# Altium PCB PCB4.PcbDoc (part 3 of 3)
Units mm, origin at the board's own origin, x right, y up, seen from the top; angles counter-clockwise.
Board outline 169 x 84.7 mm, 4 copper layers (Top Layer, GND, POWER, Bottom Layer), stack 1.564 mm thick; 189 components, 194 nets, 860 pads, 455 vias.
Unrouted connection lines stored in the file: 195.
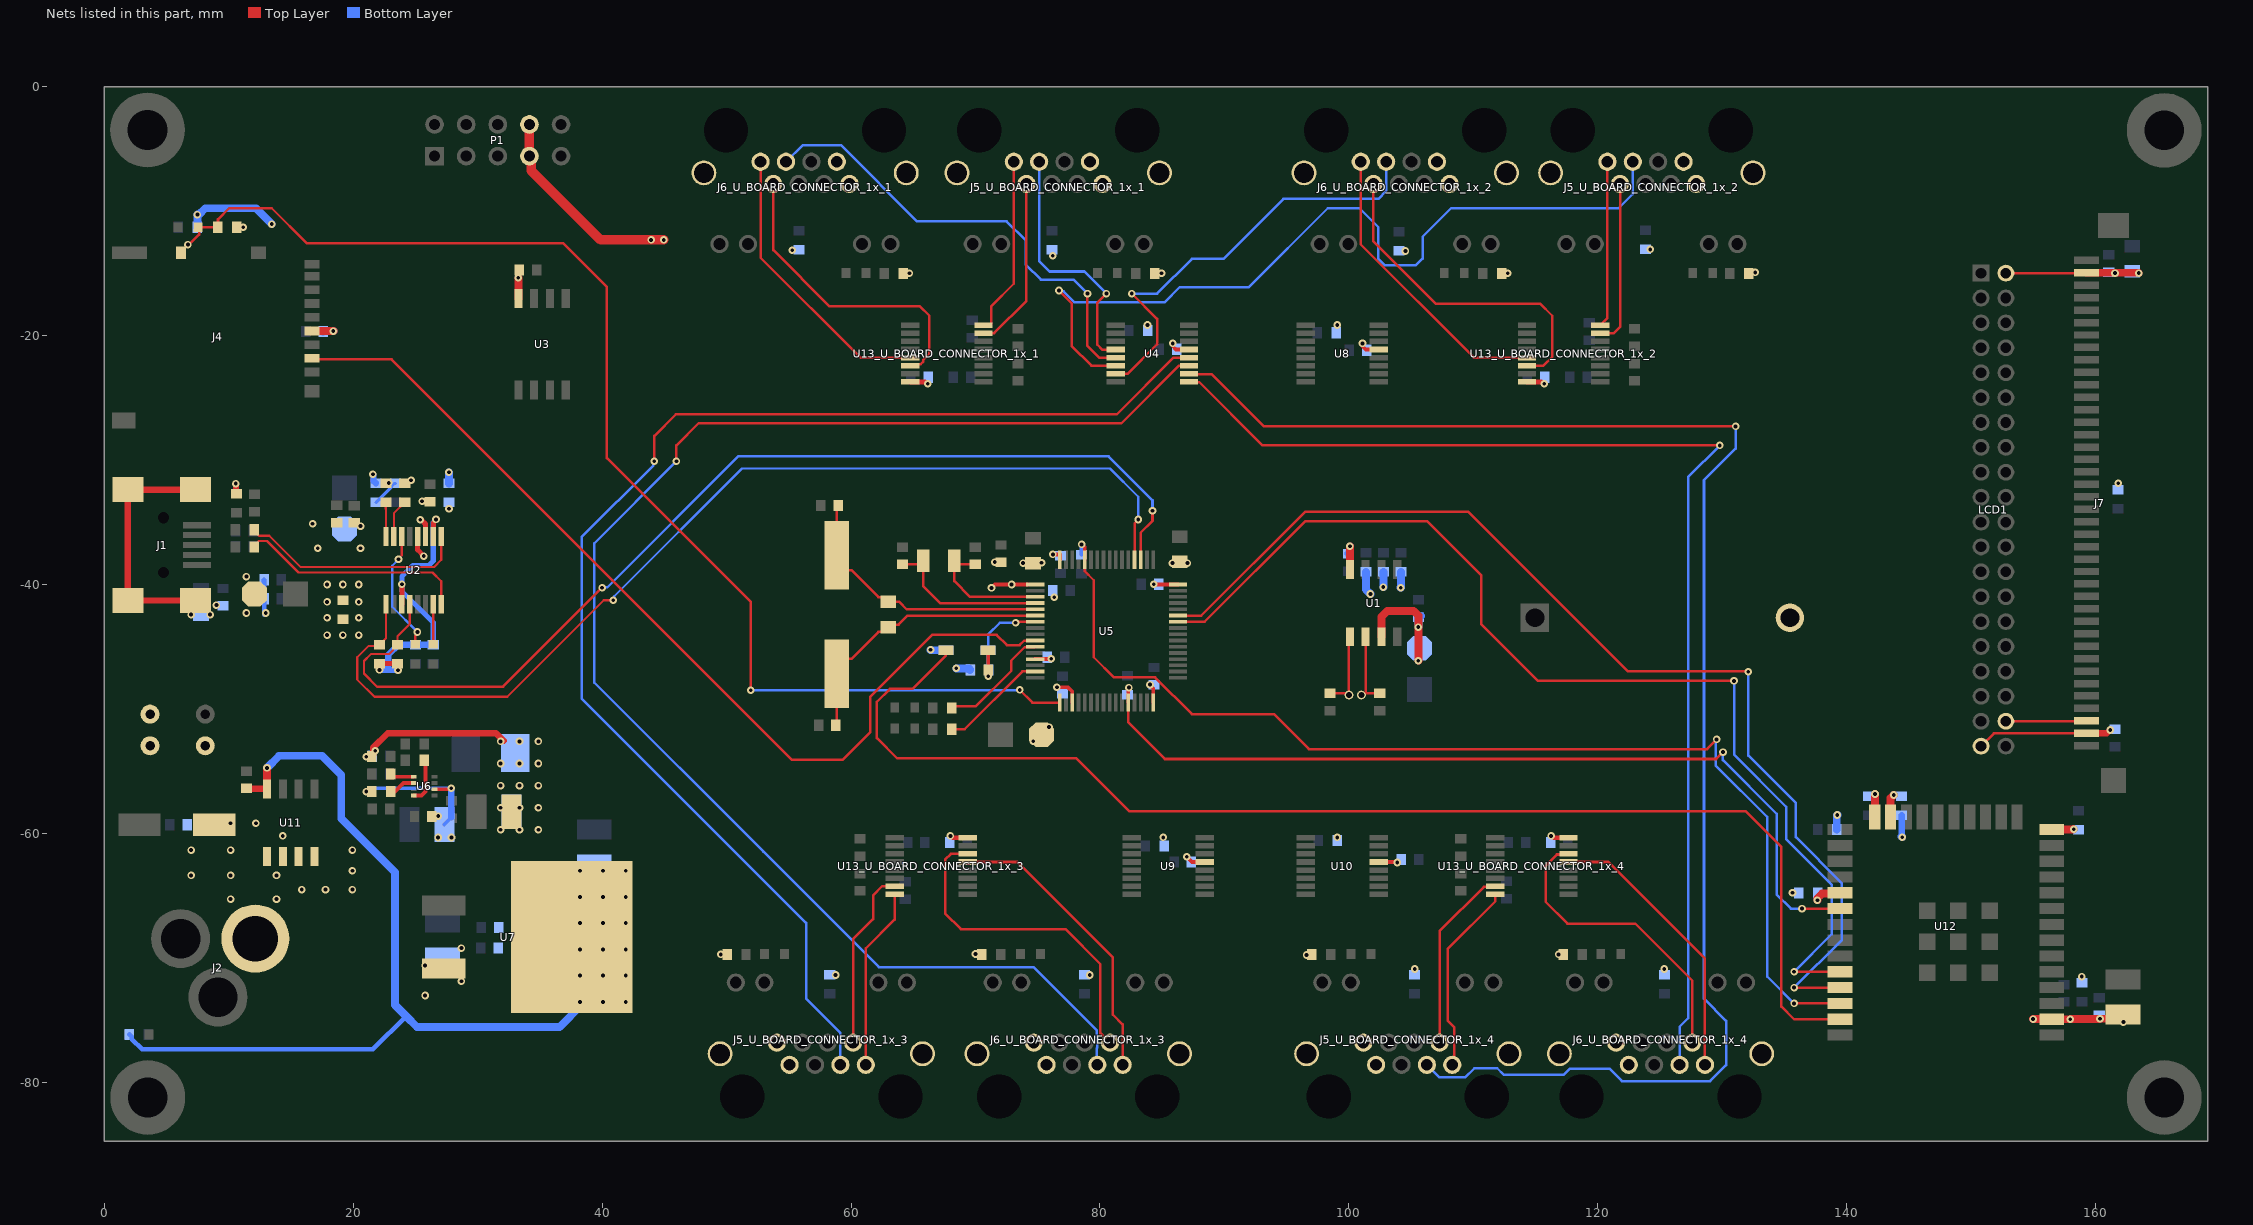
[diagram p5: the nets of this part, all layers, seen from the top]

## Via types
v1: diameter 0.61, hole 0.305, Top Layer to Bottom Layer, tented both sides, 398 vias
v2: diameter 0.61, hole 0.305, Top Layer to Bottom Layer, 57 vias

## Nets (pads, with @x,y where several pads share a name; then routed paths per layer and width w, separated by ;. In a path a pad name is that pad's centre, name@x,y a point inside that pad or via, vN(x,y) a via of type N, cw(c..) or ccw(c..) an arc to the next point about the centre after c; other vN are vias at no path point) (continued)
NetR13_2: R13.2 U12.29 | length 2.2
  Top Layer w0.635: v1(137.632,-65.352) 137.632,-65.192 138.004,-64.82 139.397,-64.82 U12.29@139.464,-64.753
NetR17_2: R17.2 U2.15 | length 3.2
  Top Layer w0.178: U2.15@23.274,-36.149 23.274,-34.264 23.794,-33.744 23.794,-33.68 24.086,-33.388 R17.2@24.15,-33.388
NetR20_2: R20.2 U12.23 | length 1.9
  Top Layer w0.635: U12.23@143.519,-58.673 143.519,-57.144 v1(143.766,-56.897)
NetR21_1: R21.1 U12.14 | length 1.8
  Top Layer w0.635: U12.14@156.464,-59.673 158.193,-59.673 v1(158.224,-59.642)
NetR23_1: R23.1 R24.2 R25.1 | length 2.2
  Bottom Layer w0.254: R23.1@21.864,-33.388 23.07,-32.182 23.07,-32.118 23.324,-31.864 R25.1@23.388,-31.864
  other v2: 22.863,-31.828
NetR26_1: R26.1 U12.24 | length 1.9
  Top Layer w0.635: U12.24@142.249,-58.673 142.249,-56.828 v1(142.261,-56.815)
NetR32_2: R32.2 U5.15 | length 8.6
  Top Layer w0.203: R32.2@68.083,-51.614 69.116,-51.614 73.764,-46.965 74.773,-46.965 U5.15@74.789,-46.981
NetR33_2: R33.2 U5.11 | length 9.2
  Top Layer w0.203: R33.2@68.083,-49.913 68.215,-49.781 70.012,-49.781 72.873,-46.92 72.873,-46.109 73.953,-45.029 74.74,-45.029 U5.11@74.789,-44.981
NetR43_2: R43.2 U6.8 | length 3.8
  Top Layer w0.305: U6.8@24.869,-56.935 24.87,-56.937 25.502,-56.937 25.819,-56.62 R43.2@25.819,-53.893
NetR53_1: R53.1 U6.5 | length 2
  Top Layer w0.305: R53.1@23.009,-55.209 23.235,-55.435 U6.5@24.869,-55.435
nRST: C12.1 D1.1 D2.1 R10.1 U5.7 | length 8.7
  Top Layer w0.203: v1(73.221,-43.065) 73.331,-43.065 73.415,-42.981 U5.7@74.789,-42.981
  Top Layer w0.305: C12.1@71.021,-46.865 D2.1@71.021,-45.265
  Bottom Layer w0.203: R10.1@71.021,-46.803 R10.1@71.083,-46.865 ; D1.1@71.021,-45.265 71.021,-43.99 71.946,-43.065 v1(73.221,-43.065)
  Bottom Layer w0.254: R10.1@71.021,-46.803 D1.1@71.021,-45.265
  other v1: 71.021,-47.365
OSC32_IN: C52.1 U5.3 X2.1 | length 10.4
  Top Layer w0.203: C52.1@69.977,-38.375 68.598,-38.375 X2.1@68.306,-38.083 68.306,-39.714 69.573,-40.981 U5.3@74.789,-40.981
OSC32_OUT: C53.1 U5.4 X2.2 | length 13.4
  Top Layer w0.203: C53.1@64.135,-38.375 65.514,-38.375 X2.2@65.806,-38.083 65.806,-40.135 67.152,-41.481 U5.4@74.789,-41.481
OSC_IN: C51.1 R36.1 U5.5 X3.1 | length 22
  Top Layer w0.203: C51.1@58.979,-33.638 58.852,-33.765 58.852,-37.938 59.75,-38.837 60.038,-38.837 62.205,-41.004 62.611,-41.004 R36.1@62.992,-41.385 63.879,-41.385 64.475,-41.981 U5.5@74.789,-41.981
OSC_OUT: C13.1 R36.2 U5.6 X3.2 | length 22.2
  Top Layer w0.203: C13.1@58.79,-51.291 58.852,-51.229 X3.2@58.852,-47.151 58.852,-46.864 59.75,-45.965 60.038,-45.965 62.205,-43.798 62.611,-43.798 63.206,-43.203 63.813,-43.203 64.535,-42.481 73.463,-42.481 U5.6@74.789,-42.481
RS232_RX_L_U_BOARD_CONNECTOR_1x_1: J6_U_BOARD_CONNECTOR_1x_1.1 U13_U_BOARD_CONNECTOR_1x_1.13 | length 23.1
  Top Layer w0.203: J6_U_BOARD_CONNECTOR_1x_1.1@52.735,-6.025 52.745,-6.035 52.745,-13.739 60.766,-21.76 U13_U_BOARD_CONNECTOR_1x_1.13@64.77,-21.76
RS232_RX_L_U_BOARD_CONNECTOR_1x_2: J6_U_BOARD_CONNECTOR_1x_2.1 U13_U_BOARD_CONNECTOR_1x_2.13 | length 23.8
  Top Layer w0.203: J6_U_BOARD_CONNECTOR_1x_2.1@100.951,-6.025 100.951,-12.669 110.042,-21.76 U13_U_BOARD_CONNECTOR_1x_2.13@114.3,-21.76
RS232_RX_L_U_BOARD_CONNECTOR_1x_3: J6_U_BOARD_CONNECTOR_1x_3.1 U13_U_BOARD_CONNECTOR_1x_3.13 | length 23.8
  Top Layer w0.203: U13_U_BOARD_CONNECTOR_1x_3.13@69.376,-62.28 73.373,-62.28 81.044,-69.952 81.044,-74.55 81.825,-75.331 J6_U_BOARD_CONNECTOR_1x_3.1@81.825,-78.575
RS232_RX_L_U_BOARD_CONNECTOR_1x_4: J6_U_BOARD_CONNECTOR_1x_4.1 U13_U_BOARD_CONNECTOR_1x_4.13 | length 22.7
  Top Layer w0.203: U13_U_BOARD_CONNECTOR_1x_4.13@117.636,-62.28 120.844,-62.28 128.602,-70.038 128.602,-71.937 ccw(c129.612,-71.965) 128.602,-71.993 J6_U_BOARD_CONNECTOR_1x_4.1@128.602,-78.575
RS232_RX_V_U_BOARD_CONNECTOR_1x_1: J5_U_BOARD_CONNECTOR_1x_1.1 U13_U_BOARD_CONNECTOR_1x_1.8 | length 14.4
  Top Layer w0.203: U13_U_BOARD_CONNECTOR_1x_1.8@70.646,-19.16 71.159,-19.16 71.282,-19.037 71.282,-17.62 73.075,-15.827 73.075,-12.663 ccw(c72.065,-12.635) 73.075,-12.607 73.075,-12.225 J5_U_BOARD_CONNECTOR_1x_1.1@73.075,-6.025
RS232_RX_V_U_BOARD_CONNECTOR_1x_2: J5_U_BOARD_CONNECTOR_1x_2.1 U13_U_BOARD_CONNECTOR_1x_2.8 | length 13.4
  Top Layer w0.203: U13_U_BOARD_CONNECTOR_1x_2.8@120.176,-19.16 120.763,-18.573 J5_U_BOARD_CONNECTOR_1x_2.1@120.763,-6.025
RS232_RX_V_U_BOARD_CONNECTOR_1x_3: J5_U_BOARD_CONNECTOR_1x_3.1 U13_U_BOARD_CONNECTOR_1x_3.8 | length 14.7
  Top Layer w0.203: J5_U_BOARD_CONNECTOR_1x_3.1@61.185,-78.575 61.185,-73.611 61.185,-69.227 63.5,-66.912 U13_U_BOARD_CONNECTOR_1x_3.8@63.5,-64.88
RS232_RX_V_U_BOARD_CONNECTOR_1x_4: J5_U_BOARD_CONNECTOR_1x_4.1 U13_U_BOARD_CONNECTOR_1x_4.8 | length 15.5
  Top Layer w0.203: J5_U_BOARD_CONNECTOR_1x_4.1@108.301,-78.575 108.458,-78.418 108.458,-75.548 107.95,-75.04 107.95,-69.246 111.76,-65.436 U13_U_BOARD_CONNECTOR_1x_4.8@111.76,-64.88
RS232_TX_L_U_BOARD_CONNECTOR_1x_1: J6_U_BOARD_CONNECTOR_1x_1.2 U13_U_BOARD_CONNECTOR_1x_1.14 | length 25.1
  Top Layer w0.203: J6_U_BOARD_CONNECTOR_1x_1.2@53.755,-7.805 53.755,-13.119 58.272,-17.636 65.532,-17.636 66.294,-18.398 66.294,-21.447 65.787,-21.954 65.787,-22.101 65.601,-22.287 64.893,-22.287 U13_U_BOARD_CONNECTOR_1x_1.14@64.77,-22.41
RS232_TX_L_U_BOARD_CONNECTOR_1x_2: J6_U_BOARD_CONNECTOR_1x_2.2 U13_U_BOARD_CONNECTOR_1x_2.14 | length 27.1
  Top Layer w0.203: J6_U_BOARD_CONNECTOR_1x_2.2@101.971,-7.805 101.971,-12.419 106.966,-17.414 115.348,-17.414 116.332,-18.398 116.332,-21.7 115.622,-22.41 U13_U_BOARD_CONNECTOR_1x_2.14@114.3,-22.41
RS232_TX_L_U_BOARD_CONNECTOR_1x_3: J6_U_BOARD_CONNECTOR_1x_3.2 U13_U_BOARD_CONNECTOR_1x_3.14 | length 27.1
  Top Layer w0.203: U13_U_BOARD_CONNECTOR_1x_3.14@69.376,-61.63 68.02,-61.63 67.564,-62.086 67.564,-66.404 68.834,-67.674 77.216,-67.674 80.038,-70.496 80.038,-76.028 J6_U_BOARD_CONNECTOR_1x_3.2@80.805,-76.795
RS232_TX_L_U_BOARD_CONNECTOR_1x_4: J6_U_BOARD_CONNECTOR_1x_4.2 U13_U_BOARD_CONNECTOR_1x_4.14 | length 24.5
  Top Layer w0.203: U13_U_BOARD_CONNECTOR_1x_4.14@117.636,-61.63 117.589,-61.677 116.713,-61.677 115.796,-62.594 115.796,-65.476 117.549,-67.229 123.001,-67.229 127.582,-71.81 J6_U_BOARD_CONNECTOR_1x_4.2@127.582,-76.795
RS232_TX_V_U_BOARD_CONNECTOR_1x_1: J5_U_BOARD_CONNECTOR_1x_1.2 U13_U_BOARD_CONNECTOR_1x_1.7 | length 13.9
  Top Layer w0.203: U13_U_BOARD_CONNECTOR_1x_1.7@70.646,-19.81 70.662,-19.794 71.502,-19.794 74.095,-17.201 J5_U_BOARD_CONNECTOR_1x_1.2@74.095,-7.805
RS232_TX_V_U_BOARD_CONNECTOR_1x_2: J5_U_BOARD_CONNECTOR_1x_2.2 U13_U_BOARD_CONNECTOR_1x_2.7 | length 13.3
  Top Layer w0.203: U13_U_BOARD_CONNECTOR_1x_2.7@120.176,-19.81 121.27,-19.81 121.783,-19.297 J5_U_BOARD_CONNECTOR_1x_2.2@121.783,-7.805
RS232_TX_V_U_BOARD_CONNECTOR_1x_3: J5_U_BOARD_CONNECTOR_1x_3.2 U13_U_BOARD_CONNECTOR_1x_3.7 | length 14.5
  Top Layer w0.203: J5_U_BOARD_CONNECTOR_1x_3.2@60.165,-76.795 60.165,-68.469 61.767,-66.867 61.767,-64.965 62.502,-64.23 U13_U_BOARD_CONNECTOR_1x_3.7@63.5,-64.23
RS232_TX_V_U_BOARD_CONNECTOR_1x_4: J5_U_BOARD_CONNECTOR_1x_4.2 U13_U_BOARD_CONNECTOR_1x_4.7 | length 14.9
  Top Layer w0.203: J5_U_BOARD_CONNECTOR_1x_4.2@107.281,-76.795 107.281,-67.835 110.837,-64.279 111.711,-64.279 U13_U_BOARD_CONNECTOR_1x_4.7@111.76,-64.23
RXD: R15.2 U2.4 U5.51 | length 86
  Top Layer w0.178: 23.836,-48.196 21.923,-48.196 20.869,-47.143 20.869,-46.136 21.426,-45.58 22.88,-45.58 23.202,-45.258 23.202,-45.11 23.494,-44.818 R15.2@23.557,-44.818 23.557,-44.141 24.544,-43.154 U2.4@24.544,-41.573
  Top Layer w0.203: 23.836,-48.196 32.05,-48.196 v1(40.005,-40.242) ; U5.51@83.277,-37.993 83.277,-35.816 84.218,-34.874 v1(84.218,-34.058)
  Bottom Layer w0.203: v1(40.005,-40.242) 40.042,-40.205 40.423,-40.205 50.927,-29.701 80.697,-29.701 84.218,-33.222 v1(84.218,-34.058)
RXLED: D4.2 U2.14 | length 9.9
  Top Layer w0.178: v2(23.642,-37.96) 23.642,-37.908 23.91,-37.64 U2.14@23.91,-36.149 ; D4.2@24.993,-44.78 24.993,-44.092 25.166,-43.919 v2(25.166,-43.802)
  Bottom Layer w0.178: v2(23.642,-37.96) 23.642,-37.984 23.149,-38.477 23.149,-41.785 v2(25.166,-43.802)
SDCARD_CS: J4.2 U5.10 | length 77.8
  Top Layer w0.203: J4.2@16.681,-21.818 16.758,-21.895 23.088,-21.895 55.265,-54.072 59.322,-54.072 61.557,-51.837 61.557,-48.993 66.516,-44.034 71.702,-44.034 72.529,-44.86 73.546,-44.86 73.901,-44.505 74.764,-44.505 U5.10@74.789,-44.481
SDCARD_DETECT: D9.2 J4.MP4 R38.2 U5.17 | length 100.8
  Top Layer w0.203: v1@6.774,-12.726 7.62,-11.88 7.62,-11.159 7.747,-11.286 R38.2@9.144,-11.286 9.144,-10.651 10.033,-9.762 13.462,-9.762 16.256,-12.556 36.861,-12.556 40.386,-16.081 40.386,-29.828 51.95,-41.392 v1(51.95,-48.488) ; v1(73.553,-48.451) 74.571,-49.469 U5.17@76.777,-49.469
  Bottom Layer w0.203: v1(51.95,-48.488) 73.553,-48.488 v1(73.553,-48.451)
  other v1: 6.731,-12.683
SHIELD: C86.2 J1.MP1 J1.MP2 J1.MP3 J1.MP4 J5_U_BOARD_CONNECTOR_1x_1.MH1 J5_U_BOARD_CONNECTOR_1x_1.MH2 J5_U_BOARD_CONNECTOR_1x_2.MH1 J5_U_BOARD_CONNECTOR_1x_2.MH2 J5_U_BOARD_CONNECTOR_1x_3.MH1 J5_U_BOARD_CONNECTOR_1x_3.MH2 J5_U_BOARD_CONNECTOR_1x_4.MH1 J5_U_BOARD_CONNECTOR_1x_4.MH2 J6_U_BOARD_CONNECTOR_1x_1.MH1 J6_U_BOARD_CONNECTOR_1x_1.MH2 J6_U_BOARD_CONNECTOR_1x_2.MH1 J6_U_BOARD_CONNECTOR_1x_2.MH2 J6_U_BOARD_CONNECTOR_1x_3.MH1 J6_U_BOARD_CONNECTOR_1x_3.MH2 J6_U_BOARD_CONNECTOR_1x_4.MH1 J6_U_BOARD_CONNECTOR_1x_4.MH2 R22.1 | length 19.7
  Top Layer w0.508: J1.MP2@7.325,-41.268 J1.MP4@1.905,-41.268 J1.MP3@1.905,-32.368 J1.MP1@7.325,-32.368
  other v2: 6.985,-42.401 8.509,-42.401 9.017,-41.639
TXD: R16.2 U2.1 U5.52 | length 84.7
  Top Layer w0.178: U2.1@22.64,-41.573 22.64,-44.296 22.474,-44.462 22.474,-44.526 22.181,-44.818 R16.2@22.118,-44.818 22.019,-44.917 21.254,-44.917 20.34,-45.831 20.34,-47.628 21.717,-49.005 32.385,-49.005 40.132,-41.258 v1(40.894,-41.258)
  Top Layer w0.203: U5.52@82.777,-37.993 82.777,-35.09 83.07,-34.797 v1(83.07,-34.767)
  Bottom Layer w0.178: v1(40.894,-41.258) 40.977,-41.175 40.977,-40.921 51.234,-30.664 80.802,-30.664 83.07,-32.932 v1(83.07,-34.767)
TXLED: D3.2 U2.7 | length 3.1
  Top Layer w0.178: D3.2@26.436,-44.78 U2.7@26.436,-41.63
UART1_RX: U5.43 U12.35 | length 88.4
  Top Layer w0.203: U5.43@86.265,-42.481 88.138,-42.481 96.473,-34.146 109.601,-34.146 122.428,-46.973 v1@132.086,-46.973 ; v1(135.763,-72.373) U12.35@139.464,-72.373
  Bottom Layer w0.203: v1(132.086,-46.992) 132.086,-53.728 135.901,-57.543 135.901,-60.288 139.605,-63.993 139.605,-68.531 v1(135.763,-72.373)
UART1_TX: U5.42 U12.34 | length 87.2
  Top Layer w0.203: U5.42@86.265,-42.981 88.4,-42.981 96.473,-34.908 106.299,-34.908 110.617,-39.226 110.617,-43.163 115.189,-47.735 v1(130.937,-47.735) ; v1(135.763,-71.103) U12.34@139.464,-71.103
  Bottom Layer w0.203: v1(130.937,-47.735) 130.937,-53.652 135.126,-57.841 135.126,-60.438 138.784,-64.096 138.784,-68.082 v1(135.763,-71.103)
USBDP_N: R18.2 U2.9 | length 18.4
  Top Layer w0.178: R18.2@12.045,-35.587 12.337,-35.879 12.337,-35.961 12.441,-36.065 13.26,-36.065 15.786,-38.591 26.49,-38.591 27.084,-37.997 U2.9@27.084,-36.149
USBDP_P: R19.2 U2.8 | length 18.5
  Top Layer w0.178: R19.2@12.045,-36.975 12.337,-36.683 12.337,-36.601 12.441,-36.497 13.081,-36.497 15.607,-39.023 26.382,-39.023 27.084,-39.725 U2.8@27.084,-41.573
V_EN: R52.1 U6.6 | length 2.1
  Top Layer w0.305: R52.1@23.009,-56.609 23.367,-56.609 24.041,-55.935 U6.6@24.869,-55.935
V_SENSE1: J5_U_BOARD_CONNECTOR_1x_1.3 U4.4 | length 20.5
  Top Layer w0.203: v1(80.518,-16.62) 79.79,-17.348 79.79,-20.726 80.174,-21.11 U4.4@81.28,-21.11
  Bottom Layer w0.203: J5_U_BOARD_CONNECTOR_1x_1.3@75.115,-6.025 75.115,-14.011 75.946,-14.842 78.74,-14.842 v1(80.518,-16.62)
V_SENSE2: J6_U_BOARD_CONNECTOR_1x_1.3 U4.5 | length 37.7
  Top Layer w0.203: v1(78.994,-16.62) 78.994,-20.822 79.932,-21.76 U4.5@81.28,-21.76
  Bottom Layer w0.203: J6_U_BOARD_CONNECTOR_1x_1.3@54.775,-6.025 54.791,-6.025 56.134,-4.682 59.182,-4.682 65.308,-10.808 72.5,-10.808 74.054,-12.363 74.054,-14.303 75.252,-15.5 77.874,-15.5 v1(78.994,-16.62)
V_SENSE3: J5_U_BOARD_CONNECTOR_1x_2.3 U4.6 | length 68.1
  Top Layer w0.203: v1(76.708,-16.366) 77.724,-17.382 77.724,-20.822 79.301,-22.4 U4.6@81.27,-22.4
  Bottom Layer w0.203: v1(76.708,-16.366) 76.786,-16.444 77.073,-16.444 77.957,-17.328 85.175,-17.328 86.406,-16.097 91.963,-16.097 98.298,-9.762 100.838,-9.762 102.362,-11.286 102.362,-13.826 102.87,-14.334 105.38,-14.334 105.918,-13.796 105.918,-12.048 108.204,-9.762 121.666,-9.762 122.803,-8.625 J5_U_BOARD_CONNECTOR_1x_2.3@122.803,-6.025
V_SENSE4: J6_U_BOARD_CONNECTOR_1x_2.3 U4.7 | length 35.4
  Top Layer w0.203: U4.7@81.28,-23.06 82.206,-23.06 84.582,-20.684 84.582,-18.652 v1(82.55,-16.62)
  Bottom Layer w0.203: v1(82.55,-16.62) 84.582,-16.62 87.376,-13.826 89.916,-13.826 94.742,-9 102.362,-9 102.991,-8.371 J6_U_BOARD_CONNECTOR_1x_2.3@102.991,-6.025
V_SENSE5: J5_U_BOARD_CONNECTOR_1x_3.3 U4.12 | length 107.1
  Top Layer w0.203: v1(44.196,-30.082) 44.196,-28.05 45.937,-26.309 81.366,-26.309 85.914,-21.76 U4.12@87.156,-21.76
  Bottom Layer w0.203: v1(44.196,-30.082) 44.118,-30.16 44.118,-30.414 38.354,-36.178 38.354,-49.132 56.388,-67.166 56.388,-73.262 59.145,-76.019 J5_U_BOARD_CONNECTOR_1x_3.3@59.145,-78.575
V_SENSE6: J6_U_BOARD_CONNECTOR_1x_3.3 U4.11 | length 120.4
  Top Layer w0.203: v1(45.974,-30.082) 45.974,-28.812 47.752,-27.034 81.713,-27.034 86.337,-22.41 U4.11@87.156,-22.41
  Bottom Layer w0.203: v1(45.974,-30.082) 39.37,-36.686 39.37,-47.862 52.959,-61.451 62.23,-70.722 74.676,-70.722 79.756,-75.802 79.756,-76.357 79.775,-76.376 79.775,-77.214 79.756,-77.233 79.756,-78.546 J6_U_BOARD_CONNECTOR_1x_3.3@79.785,-78.575
V_SENSE7: J5_U_BOARD_CONNECTOR_1x_4.3 U4.10 | length 125.2
  Top Layer w0.203: U4.10@86.868,-23.082 88.967,-23.082 93.173,-27.288 v1(131.064,-27.288)
  Bottom Layer w0.203: J5_U_BOARD_CONNECTOR_1x_4.3@106.261,-78.575 107.272,-79.585 109.339,-79.585 110.073,-78.851 111.914,-78.851 112.421,-79.358 117.272,-79.358 117.745,-78.885 120.939,-78.885 121.937,-79.883 129.015,-79.883 130.302,-78.596 130.302,-75.04 128.524,-73.262 128.524,-31.606 131.064,-29.066 v1(131.064,-27.288)
V_SENSE8: J6_U_BOARD_CONNECTOR_1x_4.3 U4.9 | length 96.1
  Top Layer w0.203: U4.9@86.868,-23.732 87.974,-23.732 93.054,-28.812 v1(129.794,-28.812)
  Bottom Layer w0.203: J6_U_BOARD_CONNECTOR_1x_4.3@126.562,-78.575 126.571,-78.565 126.571,-75.516 127.254,-74.833 127.254,-31.352 v1(129.794,-28.812)
VBAT: C2.1 C3.1 J3.2 U1.3 U5.1 | length 13.9
  Top Layer w0.305: v2(71.284,-40.256) 71.562,-39.979 74.204,-39.979 v2@72.898,-39.979
  Top Layer w0.635: U1.3@102.613,-44.18 102.613,-42.574 103.075,-42.112 105.203,-42.112 105.575,-42.484 v1(105.575,-43.412) v1(105.575,-46.112)
  Bottom Layer w0.635: v1(105.575,-43.412) 105.575,-42.712 105.642,-42.645 105.642,-42.576 105.706,-42.512 C2.1@105.775,-42.512
  other v2: 72.898,-39.988
VBUS_SENSE: R24.1 U2.16 | length 2.8
  Top Layer w0.178: R24.1@22.626,-33.388 22.626,-33.896 22.64,-33.91 U2.16@22.64,-36.149
VCC_3V3: C1.1 C6.2 C7.2 C9.1 C10.2 C11.1 C14.2 C15.1 C16.1 C17.1 C18.1 C19.1 C20.1 C21.1 C22.1 C23.1 C24.1 C29.1 C30.2 C32.1 C34.2 C36.1 C37.2 C39_U_BOARD_CONNECTOR_1x_1.2 C39_U_BOARD_CONNECTOR_1x_2.2 C39_U_BOARD_CONNECTOR_1x_3.2 C39_U_BOARD_CONNECTOR_1x_4.2 C54.2 C55.1 C56.1 D1.2 J4.4 J7.2 J7.38 J7.39 L2.1 LCD1.2 LCD1.38 LCD1.39 P1.7 P1.8 R1.2 R2.2 R3.2 R4.1 R5.1 R6.1 R10.2 R11.1 R12.1 R13.1 R14.1 R20.1 R27.2 R28_U_BOARD_CONNECTOR_1x_1.1 R28_U_BOARD_CONNECTOR_1x_2.1 R28_U_BOARD_CONNECTOR_1x_3.1 R28_U_BOARD_CONNECTOR_1x_4.1 R29_U_BOARD_CONNECTOR_1x_1.1 R29_U_BOARD_CONNECTOR_1x_2.1 R29_U_BOARD_CONNECTOR_1x_3.1 R29_U_BOARD_CONNECTOR_1x_4.1 R34_U_BOARD_CONNECTOR_1x_1.2 R34_U_BOARD_CONNECTOR_1x_2.2 R34_U_BOARD_CONNECTOR_1x_3.2 R34_U_BOARD_CONNECTOR_1x_4.2 R35_U_BOARD_CONNECTOR_1x_1.2 R35_U_BOARD_CONNECTOR_1x_2.2 R35_U_BOARD_CONNECTOR_1x_3.2 R35_U_BOARD_CONNECTOR_1x_4.2 R37.2 R38.1 R39.2 U1.8 U3.8 U4.13 U5.13 U5.19 U5.32 U5.48 U5.64 U7.4 U8.13 U9.13 U10.13 U11.8 U12.2 U13_U_BOARD_CONNECTOR_1x_1.16 U13_U_BOARD_CONNECTOR_1x_2.16 U13_U_BOARD_CONNECTOR_1x_3.16 U13_U_BOARD_CONNECTOR_1x_4.16 | length 171.4
  Top Layer w0.203: LCD1.39@150.781,-52.969 151.808,-51.942 J7.39@159.258,-51.942 ; LCD1.38@152.781,-50.969 J7.38@159.231,-50.969 ; LCD1.2@152.781,-14.969 159.231,-14.969 J7.2@159.258,-14.942
  Top Layer w0.305: U5.13@74.789,-45.981 76.06,-45.981 v1(76.093,-45.947) ; v1@76.321,-37.565 76.774,-37.565 76.777,-37.567 U5.64@76.777,-37.993 ; v1(76.538,-48.249) 77.437,-48.249 77.774,-48.587 77.774,-49.467 U5.19@77.777,-49.469 ; v1(84.02,-48.032) 84.02,-48.095 84.277,-48.351 U5.32@84.277,-49.469 ; v1(84.321,-39.965) 84.337,-39.981 U5.48@86.265,-39.981 ; v1(85.847,-20.615) 85.847,-20.842 86.116,-21.11 U4.13@87.156,-21.11 ; v1(86.967,-61.861) 87.386,-62.28 U9.13@88.426,-62.28 ; v1(101.087,-20.615) 101.087,-20.842 101.356,-21.11 U8.13@102.396,-21.11 ; U10.13@102.396,-62.28 103.826,-62.28 v1@103.886,-62.34
  Top Layer w0.381: C56.1@11.43,-56.371 C56.1@11.467,-56.408 ; U13_U_BOARD_CONNECTOR_1x_1.16@64.77,-23.71 65.959,-23.71 66.101,-23.853 v1(66.163,-23.853) ; v1(67.983,-60.187) 68.045,-60.187 68.187,-60.33 U13_U_BOARD_CONNECTOR_1x_3.16@69.376,-60.33 ; U13_U_BOARD_CONNECTOR_1x_2.16@114.3,-23.71 115.489,-23.71 115.631,-23.853 v1(115.693,-23.853) ; v1(116.243,-60.187) 116.305,-60.187 116.447,-60.33 U13_U_BOARD_CONNECTOR_1x_4.16@117.636,-60.33
  Top Layer w0.508: C56.1@11.467,-56.408 U11.8@13.081,-56.408 ; J7.39@159.258,-51.942 160.893,-51.942 v1(161.163,-51.672)
  Top Layer w0.635: U11.8@13.081,-56.408 v1(13.081,-54.72) ; J4.4@16.681,-19.618 18.398,-19.618 v1(18.408,-19.628) ; U3.8@33.274,-17.009 v1(33.274,-15.35) ; U1.8@100.073,-38.78 v1@100.073,-36.914 ; v1(154.966,-74.897) 156.448,-74.897 U12.2@156.464,-74.913 v1@157.941,-74.913 ; v1(157.941,-74.912) 157.955,-74.898 160.313,-74.898 v1(160.335,-74.876) ; J7.2@159.258,-14.942 163.422,-14.942 v1(163.449,-14.969) ; v1@160.335,-74.872 162.017,-74.872 C30.2@162.268,-74.621
  Top Layer w0.762: P1.8@34.163,-3.031 P1.7@34.163,-5.571 34.304,-5.712 34.304,-6.728 39.878,-12.302 v1(43.942,-12.302) v1(44.958,-12.302)
  Bottom Layer w0.381: R39.2@2.032,-76.125 2.222,-76.315 2.222,-76.5 3.048,-77.326 21.59,-77.326 24.257,-74.659
  Bottom Layer w0.508: v1@144.399,-60.239 R20.1@144.399,-58.53
  Bottom Layer w0.635: R37.2@7.493,-11.286 v1(7.493,-10.27) 7.62,-10.27 8.128,-9.762 12.192,-9.762 v1(13.462,-11.032) ; v1(13.081,-54.72) 14.057,-53.744 17.506,-53.744 19.05,-55.288 19.05,-58.784 23.368,-63.102 23.368,-73.77 24.257,-74.659 25.146,-75.548 36.576,-75.548 38.417,-73.706 38.608,-73.516 v1(40.069,-73.516) v1(41.91,-73.516) ; C6.2@17.591,-19.668 17.631,-19.628 v1(18.408,-19.628) ; v1(66.392,-45.233) 66.425,-45.265 D1.2@67.621,-45.265 ; v1(68.453,-46.719) 69.413,-46.719 69.432,-46.738 69.495,-46.738 69.559,-46.801 R10.2@69.559,-46.865 ; C1.1@99.975,-37.512 100.012,-37.512 100.075,-37.448 v1(100.075,-36.912) ; R1.2@101.375,-38.974 101.375,-40.398 v1(101.727,-40.75) ; v1(102.76,-40.195) 102.775,-40.18 R3.2@102.775,-38.974 ; v1(104.157,-40.241) 104.175,-40.223 R2.2@104.175,-38.974 ; R12.1@139.192,-59.673 139.192,-58.544 v1(139.234,-58.502) ; v1@144.399,-60.239 v1(144.448,-60.288)
  other v1: 162.215,-75.14 38.227,-73.516 158.877,-71.484 38.227,-71.408 40.069,-71.408 41.91,-71.408 58.763,-71.357 79.177,-71.357 105.281,-70.876 125.335,-70.876 96.602,-69.749 49.53,-69.706 116.84,-69.706 69.997,-69.67 38.227,-69.3 40.069,-69.3 41.91,-69.3 38.227,-67.191 40.069,-67.191 41.91,-67.191 38.227,-65.083 40.069,-65.083 41.91,-65.083 135.636,-64.753 38.227,-62.975 40.069,-62.975 41.91,-62.975 103.885,-62.322 85.09,-60.308 99.06,-60.308 74.639,-52.584 75.909,-51.441 76.327,-41.004 73.821,-38.265 85.821,-38.265 87.021,-38.265 75.304,-38.234 76.221,-37.565 161.798,-31.86 83.82,-19.138 99.06,-19.138 64.688,-14.988 112.755,-14.99 84.944,-14.974 161.544,-14.969 132.638,-14.912 76.2,-13.572 104.539,-13.192 55.282,-13.136 124.206,-13.064 11.176,-11.286
  other v2: 17.907,-44.052 19.177,-44.052 20.447,-44.052 17.907,-42.655 20.447,-42.655 71.552,-38.186
VCC_3V3_FTDI: C8.1 C35.1 C40.1 L2.2 R9.1 U2.12 | length 1.8
  Top Layer w0.381: U2.12@25.18,-36.149 25.18,-37.212 v2(25.674,-37.706)
  other v2: 17.907,-41.385 20.447,-41.385 17.907,-39.988 19.177,-39.988 20.447,-39.988 17.165,-37.071 20.594,-37.071 20.594,-35.293 16.746,-35.1 27.706,-33.896
VCC_5V: C33.2 C74.2 C75.2 C76.1 L6.2 R44.2 U7.3 | length 12
  Top Layer w0.508: R44.2@21.493,-53.789 21.62,-53.662 21.62,-53.077 22.77,-51.927 31.475,-51.927 v1@32.093,-52.545
  other v1: 25.781,-73.008 28.702,-71.865 25.781,-70.595 28.702,-69.198 31.848,-59.689 33.366,-59.689 34.883,-59.689 31.848,-57.914 33.366,-57.914 34.883,-57.914 31.848,-56.139 33.366,-56.139 34.883,-56.139 31.848,-54.364 33.366,-54.364 34.883,-54.364 21.053,-53.828 21.785,-53.344 31.848,-52.589 33.366,-52.589 34.883,-52.589
VCC_12V: C26.2 C27.2 J5_U_BOARD_CONNECTOR_1x_1.7 J5_U_BOARD_CONNECTOR_1x_1.8 J5_U_BOARD_CONNECTOR_1x_2.7 J5_U_BOARD_CONNECTOR_1x_2.8 J5_U_BOARD_CONNECTOR_1x_3.7 J5_U_BOARD_CONNECTOR_1x_3.8 J5_U_BOARD_CONNECTOR_1x_4.7 J5_U_BOARD_CONNECTOR_1x_4.8 J6_U_BOARD_CONNECTOR_1x_1.7 J6_U_BOARD_CONNECTOR_1x_1.8 J6_U_BOARD_CONNECTOR_1x_2.7 J6_U_BOARD_CONNECTOR_1x_2.8 J6_U_BOARD_CONNECTOR_1x_3.7 J6_U_BOARD_CONNECTOR_1x_3.8 J6_U_BOARD_CONNECTOR_1x_4.7 J6_U_BOARD_CONNECTOR_1x_4.8 P3.2 R52.2 U6.2 U11.3 U11.4 | length 11.5
  Top Layer w0.305: U6.2@26.545,-56.435 27.718,-56.435 27.802,-56.351 v1(27.884,-56.351)
  Bottom Layer w0.305: v1(21.053,-56.622) 21.114,-56.622 21.384,-56.351 v1(27.884,-56.351) ; C26.2@27.325,-59.268 C26.2@27.884,-58.709
  Bottom Layer w0.508: C26.2@27.884,-58.709 v1(27.884,-56.351)
  other v1: 15.875,-64.499 17.78,-64.499 19.939,-64.499 19.939,-62.975 19.939,-61.324 26.829,-60.315 27.901,-60.315 26.842,-58.595
VCC_12V_IN: C48.2 C49.1 J2.1 P2.1 P3.1 U11.1 U11.2
  other v1: 10.16,-65.261 13.843,-65.261 6.985,-63.356 10.16,-63.356 13.843,-63.356 6.985,-61.324 10.16,-61.324 14.351,-60.181 10.16,-59.165 12.192,-59.165
VCC_FTDI: C41.1 C42.2 C43.2 L4.1 R9.2 R23.2 | length 5.6
  Top Layer w0.508: v1(10.572,-31.883) 10.591,-31.902 10.591,-32.666 L4.1@10.626,-32.701
  Bottom Layer w0.381: C43.2@12.844,-41.135 C42.2@12.844,-39.611 ; C43.2@12.85,-41.135 12.85,-42.419 12.986,-42.284 v2(12.986,-42.277)
  Bottom Layer w0.508: v2(21.59,-31.122) 21.634,-31.166 21.634,-31.669 21.824,-31.86 R23.2@21.844,-31.86
  Bottom Layer w0.635: v1(27.691,-30.976) 27.691,-31.849 R9.2@27.706,-31.864
  other v2: 11.43,-42.274 11.43,-39.353
VCCIO: C85.2 R15.1 R16.1 R17.1 R30.2 R31.2 U2.3 U2.10 U2.11 | length 25.4
  Top Layer w0.406: R16.1@22.118,-46.342 R15.1@23.557,-46.342 ; U2.3@23.91,-41.573 23.91,-40.034 v2@23.934,-40.01 ; v2(25.4,-34.781) 25.439,-34.82 25.512,-34.82 25.813,-35.121 25.813,-36.148 U2.11@25.814,-36.149 ; U2.10@26.45,-36.149 26.45,-35.013
  Bottom Layer w0.406: R30.2@26.436,-44.818 26.436,-43.04 23.918,-40.522 v2(23.918,-39.969) 23.918,-39.335 24.793,-38.46 26.079,-38.46 26.436,-38.103 26.436,-35.027 26.655,-34.808 v2(26.655,-34.753)
  Bottom Layer w0.508: v2(22.118,-46.85) 22.833,-46.85 ; v2(23.605,-46.879) 23.578,-46.879 23.549,-46.85 22.833,-46.85 ; R30.2@26.436,-44.818 R31.2@24.997,-44.818 23.642,-44.818 22.833,-45.627 22.833,-46.85
  other v2: 25.54,-33.304 24.658,-31.61
WIFI_GPIO1: R8.1 U5.60 U12.36 | length 91
  Top Layer w0.203: U5.60@78.777,-37.993 78.769,-38.001 78.769,-38.913 79.502,-39.647 79.502,-45.83 81.12,-47.448 82.086,-47.448 82.089,-47.45 82.747,-47.45 82.749,-47.448 84.422,-47.448 87.376,-50.402 93.98,-50.402 96.782,-53.204 128.77,-53.204 v1(129.54,-52.434) ; v1(135.763,-73.643) U12.36@139.464,-73.643
  Top Layer w0.305: 78.75,-36.977 78.777,-37.003 U5.60@78.777,-37.993
  Bottom Layer w0.203: v1(129.54,-52.434) 129.464,-52.51 129.464,-54.517 133.604,-58.657 133.604,-71.484 v1(135.763,-73.643)
  Bottom Layer w0.305: R8.1@78.521,-37.603 v1(78.521,-36.765)
WIFI_GPIO2: D2.2 U12.37 | length 104.7
  Top Layer w0.203: D2.2@67.621,-45.265 67.621,-45.7 64.95,-48.37 63.119,-48.37 62.084,-49.405 62.084,-52.33 63.713,-53.958 78.105,-53.958 82.364,-58.217 131.894,-58.217 134.747,-61.07 134.747,-73.897 135.763,-74.913 U12.37@139.464,-74.913
WIFI_GPIO3: R7.1 U5.28 U12.30 | length 70.7
  Top Layer w0.203: U5.28@82.277,-49.469 82.277,-51.063 85.218,-54.004 129.494,-54.004 v1(130.048,-53.45) ; v1(136.398,-66.023) U12.30@139.464,-66.023
  Top Layer w0.305: U5.28@82.277,-49.469 82.277,-48.385 v1@82.302,-48.361
  Bottom Layer w0.203: v1(130.048,-53.45) 130.048,-54.085 134.366,-58.403 134.366,-64.88 135.509,-66.023 v1(136.398,-66.023)
  other v1: 82.321,-48.265
X1: C5.1 U1.1 X1.1 | length 6.3
  Top Layer w0.203: C5.1@98.475,-48.712 99.718,-48.712 99.87,-48.864 X1.1@100.004,-48.864 100.004,-44.249 U1.1@100.073,-44.18
X2: C4.2 U1.2 X1.2 | length 5.7
  Top Layer w0.203: U1.2@101.343,-44.18 101.343,-48.525 101.343,-48.659 101.29,-48.712 C4.2@102.475,-48.712
pads on no net: J1.4 J1.MH1 J1.MH2 J2.3 J4.1 J4.8 J4.MP1 J4.MP2 J4.MP5 J4.MP6 J5_U_BOARD_CONNECTOR_1x_1.9 J5_U_BOARD_CONNECTOR_1x_1.10 J5_U_BOARD_CONNECTOR_1x_1.11 J5_U_BOARD_CONNECTOR_1x_1.12 J5_U_BOARD_CONNECTOR_1x_1.MH3 J5_U_BOARD_CONNECTOR_1x_1.MH4 J5_U_BOARD_CONNECTOR_1x_2.9 J5_U_BOARD_CONNECTOR_1x_2.10 J5_U_BOARD_CONNECTOR_1x_2.11 J5_U_BOARD_CONNECTOR_1x_2.12 J5_U_BOARD_CONNECTOR_1x_2.MH3 J5_U_BOARD_CONNECTOR_1x_2.MH4 J5_U_BOARD_CONNECTOR_1x_3.9 J5_U_BOARD_CONNECTOR_1x_3.10 J5_U_BOARD_CONNECTOR_1x_3.11 J5_U_BOARD_CONNECTOR_1x_3.12 J5_U_BOARD_CONNECTOR_1x_3.MH3 J5_U_BOARD_CONNECTOR_1x_3.MH4 J5_U_BOARD_CONNECTOR_1x_4.9 J5_U_BOARD_CONNECTOR_1x_4.10 J5_U_BOARD_CONNECTOR_1x_4.11 J5_U_BOARD_CONNECTOR_1x_4.12 J5_U_BOARD_CONNECTOR_1x_4.MH3 J5_U_BOARD_CONNECTOR_1x_4.MH4 J6_U_BOARD_CONNECTOR_1x_1.9 J6_U_BOARD_CONNECTOR_1x_1.10 J6_U_BOARD_CONNECTOR_1x_1.11 J6_U_BOARD_CONNECTOR_1x_1.12 J6_U_BOARD_CONNECTOR_1x_1.MH3 J6_U_BOARD_CONNECTOR_1x_1.MH4 J6_U_BOARD_CONNECTOR_1x_2.9 J6_U_BOARD_CONNECTOR_1x_2.10 J6_U_BOARD_CONNECTOR_1x_2.11 J6_U_BOARD_CONNECTOR_1x_2.12 J6_U_BOARD_CONNECTOR_1x_2.MH3 J6_U_BOARD_CONNECTOR_1x_2.MH4 J6_U_BOARD_CONNECTOR_1x_3.9 J6_U_BOARD_CONNECTOR_1x_3.10 J6_U_BOARD_CONNECTOR_1x_3.11 J6_U_BOARD_CONNECTOR_1x_3.12 J6_U_BOARD_CONNECTOR_1x_3.MH3 J6_U_BOARD_CONNECTOR_1x_3.MH4 J6_U_BOARD_CONNECTOR_1x_4.9 J6_U_BOARD_CONNECTOR_1x_4.10 J6_U_BOARD_CONNECTOR_1x_4.11 J6_U_BOARD_CONNECTOR_1x_4.12 J6_U_BOARD_CONNECTOR_1x_4.MH3 J6_U_BOARD_CONNECTOR_1x_4.MH4 J7.41 J7.42 P1.4 U2.2 U2.6 U3.3 U3.7 U5.2 U5.16 U5.24 U5.25 U5.45 U5.61 U12.4 U12.5 U12.6 U12.7 U12.8 U12.9 U12.10 U12.11 U12.12 U12.13 U12.16 U12.17 U12.18 U12.19 U12.20 U12.21 U12.22 U12.26 U12.27 U12.28 U12.31 U12.32 U12.33
copper on no net: | length 7.6
  Bottom Layer w0.508: v2(16.784,-33.515) 16.784,-30.824 19.431,-28.177 v1(20.574,-28.177)

## Polygon pours and split planes (outlines as drawn)
SHIELD on GND (split plane): 170 vertices, not listed, extent 0.51,-84.19 168.49,-0.51
GND on GND (split plane): 130.703,-9.615 130.78,-9.678 130.869,-9.726 130.964,-9.755 131.064,-9.764 163.365,-9.764 165.352,-11.751 165.352,-72.289 161.079,-76.562 135.847,-76.562 134.473,-75.187 134.396,-75.124 134.307,-75.076 134.212,-75.047 134.112,-75.038 132.588,-75.038 132.488,-75.047 132.393,-75.076 132.304,-75.124 132.227,-75.187 127.297,-80.118 123.655,-80.118 118.979,-75.441 118.902,-75.378 118.813,-75.33 118.718,-75.301 118.618,-75.292 110.744,-75.292 110.644,-75.301 110.549,-75.33 110.46,-75.378 110.383,-75.441 106.215,-79.61 102.573,-79.61 97.389,-74.425 97.312,-74.362 97.223,-74.314 97.128,-74.285 97.028,-74.276 86.106,-74.276 86.006,-74.285 85.911,-74.314 85.822,-74.362 85.745,-74.425 80.561,-79.61 76.411,-79.61 71.989,-75.187 71.912,-75.124 71.823,-75.076 71.728,-75.047 71.628,-75.038 64.262,-75.038 64.162,-75.047 64.067,-75.076 63.978,-75.124 63.901,-75.187 59.225,-79.864 56.599,-79.864 52.177,-75.441 52.1,-75.378 52.011,-75.33 51.916,-75.301 51.816,-75.292 43.942,-75.292 43.842,-75.301 43.747,-75.33 43.658,-75.378 43.581,-75.441 39.921,-79.102 9.609,-79.102 4.066,-73.559 4.066,-45.324 9.652,-45.324 9.752,-45.315 9.847,-45.286 9.936,-45.238 10.013,-45.175 10.267,-44.921 10.33,-44.844 10.378,-44.755 10.407,-44.66 10.416,-44.56 10.416,-40.75 10.407,-40.65 10.378,-40.555 10.33,-40.466 10.267,-40.389 10.19,-40.326 10.101,-40.278 10.006,-40.249 9.906,-40.24 6.053,-40.24 5.844,-40.031 5.844,-9.51 49.022,-9.51 49.122,-9.501 49.217,-9.472 49.306,-9.424 49.383,-9.361 54.313,-4.43 57.447,-4.43 62.377,-9.361 62.454,-9.424 62.543,-9.472 62.638,-9.501 62.738,-9.51 69.85,-9.51 69.95,-9.501 70.045,-9.472 70.134,-9.424 70.211,-9.361 74.633,-4.938 78.783,-4.938 82.951,-9.107 83.028,-9.17 83.117,-9.218 83.212,-9.247 83.312,-9.256 98.552,-9.256 98.652,-9.247 98.747,-9.218 98.836,-9.17 98.913,-9.107 103.335,-4.684 106.469,-4.684 110.891,-9.107 110.968,-9.17 111.057,-9.218 111.152,-9.247 111.252,-9.256 118.364,-9.256 118.464,-9.247 118.559,-9.218 118.648,-9.17 118.725,-9.107 123.401,-4.43 125.519,-4.43
VCC_12V on POWER (split plane): 168.49,-0.51 168.49,-84.19 0.51,-84.19 0.51,-0.51
VCC_FTDI on POWER (split plane): 29.208,-32.112 15.748,-32.112 15.648,-32.121 15.553,-32.15 15.464,-32.198 15.387,-32.261 15.324,-32.338 15.276,-32.427 15.247,-32.522 15.238,-32.622 15.238,-42.274 15.238,-42.78 10.162,-42.78 10.162,-42.02 10.162,-28.814 29.208,-28.814
VCC_3V3 on POWER (split plane): 163.32,-76.039 136.341,-76.039 134.981,-74.679 134.904,-74.616 134.815,-74.568 134.72,-74.539 134.62,-74.53 47.752,-74.53 47.652,-74.539 47.557,-74.568 47.468,-74.616 47.391,-74.679 46.031,-76.039 37.333,-76.039 37.333,-50.656 37.323,-50.556 37.294,-50.461 37.247,-50.372 37.184,-50.295 37.106,-50.232 37.018,-50.184 36.922,-50.155 36.823,-50.146 29.718,-50.146 29.618,-50.155 29.527,-50.183 29.435,-50.155 29.335,-50.146 10.162,-50.146 10.162,-43.8 15.748,-43.8 15.848,-43.791 15.943,-43.762 16.032,-43.714 16.109,-43.651 16.172,-43.574 16.22,-43.485 16.249,-43.39 16.258,-43.29 16.258,-42.53 29.718,-42.53 29.818,-42.521 29.913,-42.492 30.002,-42.444 30.079,-42.381 30.142,-42.304 30.19,-42.215 30.219,-42.12 30.228,-42.02 30.228,-32.876 30.228,-28.304 30.219,-28.204 30.19,-28.109 30.142,-28.02 30.079,-27.943 30.002,-27.88 29.913,-27.832 29.818,-27.803 29.718,-27.794 10.162,-27.794 10.162,-10.227 10.371,-10.018 163.32,-10.018
VCC_5V on POWER (split plane): 36.312,-76.039 21.846,-76.039 21.846,-70.214 21.846,-62.279 29.718,-62.279 29.818,-62.269 29.913,-62.24 30.002,-62.193 30.079,-62.129 30.142,-62.052 30.19,-61.964 30.219,-61.868 30.228,-61.768 30.228,-51.166 36.312,-51.166
VCC_3V3_FTDI on POWER (split plane): 29.208,-33.892 29.208,-41.51 16.258,-41.51 16.258,-33.132 29.208,-33.132
VBAT on POWER (split plane): 92.327,-42.274 92.335,-42.349 92.356,-42.421 92.392,-42.487 92.439,-42.545 92.497,-42.592 92.563,-42.628 92.635,-42.649 92.71,-42.657 112.141,-42.657 112.216,-42.649 112.288,-42.628 112.354,-42.592 112.412,-42.545 112.459,-42.487 112.495,-42.421 112.516,-42.349 112.524,-42.274 112.524,-41.639 112.524,-41.133 137.031,-41.133 137.031,-45.193 116.713,-45.193 116.638,-45.201 116.566,-45.222 116.5,-45.258 116.442,-45.305 116.395,-45.363 116.359,-45.429 116.338,-45.501 116.33,-45.576 116.33,-47.227 116.33,-47.479 90.045,-47.479 90.045,-31.352 90.037,-31.277 90.016,-31.205 89.98,-31.139 89.933,-31.081 89.875,-31.034 89.809,-30.998 89.737,-30.977 89.662,-30.969 70.358,-30.969 70.283,-30.977 70.211,-30.998 70.145,-31.034 70.087,-31.081 70.04,-31.139 70.004,-31.205 69.983,-31.277 69.975,-31.352 69.975,-39.132 69.983,-39.207 70.004,-39.279 70.04,-39.345 70.087,-39.403 70.145,-39.451 70.211,-39.486 70.283,-39.508 70.358,-39.515 74.547,-39.515 74.547,-41.383 68.455,-41.383 68.455,-29.195 92.327,-29.195

## Other copper
Top Layer:
  region net GND: 5.842,-58.276 1.016,-58.276 1.016,-60.562 5.842,-60.562
  region net VCC_12V_IN: 10.287,-51.672 2.413,-51.672 2.413,-54.974 10.287,-54.974
  region net VCC_12V_IN: 10.287,-51.926 6.223,-51.926 6.223,-61.959 10.287,-61.959
  region net VCC_5V: 35.283,-51.948 31.397,-51.948 31.397,-60.056 35.283,-60.056
  region net SHIELD: 10.16,-40.75 5.969,-40.75 5.969,-43.29 10.16,-43.29
  region net NetC44_1: 9.144,-33.638 6.223,-33.638 6.223,-35.543 9.144,-35.543
  region net NetC44_1: 12.7,-33.638 6.223,-33.638 6.223,-34.654 12.7,-34.654
  region net VCC_3V3_FTDI: 20.828,-39.607 17.526,-39.607 17.526,-41.766 20.828,-41.766
  rectangle net VCC_3V3: 17.526,-44.433 20.828,-42.274
  region net GND: 16.383,-39.353 13.843,-39.353 13.843,-41.893 16.383,-41.893
  region net VCC_FTDI: 13.335,-38.972 11.049,-38.972 11.049,-42.655 13.335,-42.655
  region net GND: 20.721,-33.007 18.181,-33.007 18.181,-34.15 20.721,-34.15
  region net VCC_3V3_FTDI: 20.975,-34.531 16.657,-34.531 16.657,-37.452 20.975,-37.452
  region net VCC_12V: 20.701,-60.689 15.24,-60.689 15.24,-65.261 20.701,-65.261
  region net VCC_12V_IN: 14.859,-58.276 6.223,-58.276 6.223,-64.372 14.859,-64.372
  region net VCC_12V_IN: 14.859,-63.61 8.89,-63.61 8.89,-70.341 14.859,-70.341
  region net GND: 25.4,-63.102 25.4,-68.055 29.083,-68.055 29.083,-63.102
  region net VCC_5V: 25.4,-68.69 25.4,-73.389 29.083,-73.389 29.083,-68.69
  text "TOP" at 12.367,-4.005 h1.5
  text "INHELION" at 9.9,-6.5 h2.54
Bottom Layer:
  region net GND: 5.842,-58.276 1.016,-58.276 1.016,-60.562 5.842,-60.562
  region net VCC_12V_IN: 10.287,-51.672 2.413,-51.672 2.413,-54.974 10.287,-54.974
  region net VCC_12V_IN: 10.287,-51.926 6.223,-51.926 6.223,-61.959 10.287,-61.959
  region net VCC_5V: 34.134,-51.779 31.584,-51.779 31.584,-60.04 34.134,-60.04
  region net GND: 20.594,-31.326 17.516,-31.326 17.516,-34.277 20.594,-34.277
  region net VCC_3V3_FTDI: 20.975,-34.531 16.657,-34.531 16.657,-37.452 20.975,-37.452
  region net VCCIO: 25.547,-31.229 24.404,-31.229 24.404,-33.515 25.547,-33.515
  region net VCCIO: 27.071,-32.118 24.531,-32.118 24.531,-35.674 27.071,-35.674
  region net VCC_12V_IN: 14.859,-58.276 6.223,-58.276 6.223,-64.372 14.859,-64.372
  region net VCC_12V_IN: 14.859,-63.61 8.89,-63.61 8.89,-70.341 14.859,-70.341
  region net VCC_3V3: 31.242,-66.531 31.242,-70.214 39.116,-70.214 39.116,-66.531
  region net GND: 25.4,-63.102 25.4,-68.055 29.083,-68.055 29.083,-63.102
  region net VCC_5V: 25.4,-68.69 25.4,-73.389 29.083,-73.389 29.083,-68.69
  text "BOT" at 16.831,-3.95 h1.5
GND (plane layer: these items are gaps in the copper):
  region: 163.068,-77.072 134.366,-77.072 134.366,-84.438 163.068,-84.438
  lines w1.016: 3.556,-73.77 3.556,-44.814 9.652,-44.814 9.906,-44.56 9.906,-40.75 5.842,-40.75 5.334,-40.242 5.334,-9 49.022,-9 54.102,-3.92 57.658,-3.92 62.738,-9 69.85,-9 74.422,-4.428 78.994,-4.428 83.312,-8.746 98.552,-8.746 103.124,-4.174 106.68,-4.174 111.252,-8.746 118.364,-8.746 123.19,-3.92 125.73,-3.92 131.064,-9.254 163.576,-9.254 165.862,-11.54 165.862,-72.5 161.29,-77.072 135.636,-77.072 134.112,-75.548 132.588,-75.548 127.508,-80.628 123.444,-80.628 118.618,-75.802 110.744,-75.802 106.426,-80.12 102.362,-80.12 97.028,-74.786 86.106,-74.786 80.772,-80.12 76.2,-80.12 71.628,-75.548 64.262,-75.548 59.436,-80.374 56.388,-80.374 51.816,-75.802 43.942,-75.802 40.132,-79.612 9.398,-79.612 3.556,-73.77
POWER (plane layer: these items are gaps in the copper):
  region: 162.56,-76.564 133.858,-76.564 133.858,-84.184 162.56,-84.184
  lines w0.762: 68.072,-41.766 74.93,-41.766 74.93,-39.132 70.358,-39.132 70.358,-31.352 89.662,-31.352 89.662,-47.862 116.713,-47.862 116.713,-47.227 116.713,-45.576 137.414,-45.576 137.414,-40.75 112.141,-40.75 112.141,-41.639 112.141,-42.274 92.71,-42.274 92.71,-28.812 68.072,-28.812 68.072,-41.766
  lines w1.016: 9.652,-42.02 9.652,-50.656 29.335,-50.656 ; 21.336,-75.548 21.336,-61.768 27.622,-61.768 29.718,-61.768 29.718,-50.656 36.823,-50.656 36.823,-76.31 ; 21.336,-70.214 21.336,-76.549 46.243,-76.549 47.752,-75.04 134.62,-75.04 136.129,-76.549 163.83,-76.549 163.83,-9.762 164.084,-9.508 10.16,-9.508 9.652,-10.016 9.652,-28.304 ; 29.718,-33.892 29.718,-28.304 9.652,-28.304 ; 9.652,-28.304 9.652,-43.29 15.748,-43.29 15.748,-42.274 ; 15.748,-42.274 16.002,-42.02 29.718,-42.02 29.718,-32.876 29.464,-32.622 15.748,-32.622 15.748,-42.274

## Silkscreen, mask and mechanical layers (free items; w line width, h text height)
Mechanical 2:
  lines w1.27: 0.1,-84.6 169.1,-84.6 169.2,-84.5 169.2,-0.1 0.1,-0.1 0.1,-84.6
Drill Drawing:
  lines w1.27: 0.127,-84.565 169.291,-84.565 169.291,-0.11 0.127,-0.11 0.127,-84.565

## Text inside footprints (layer, text, board x,y; h text height)
LCD1: Top Overlay "1" at 150.446,-12.712 h1.27 r270; Top Overlay "2" at 152.456,-12.712 h1.27 r270; Top Overlay "40" at 152.354,-54.355 h1.27 r270; Top Overlay "39" at 150.393,-54.355 h1.27 r270
P1: Top Overlay "10" at 38.227,-3.539 h1.27; Top Overlay "9" at 38.227,-6.079 h1.27; Top Overlay "1" at 24.511,-6.079 h1.27; Top Overlay "2" at 24.003,-3.539 h1.27
P2: Top Overlay "1" at 7.62,-54.847 h0.76 r270
P3: Top Overlay "1" at 4.245,-55.217 h0.76 r90